# KiCad board data-center-ddr5-tester.kicad_pcb (continued)
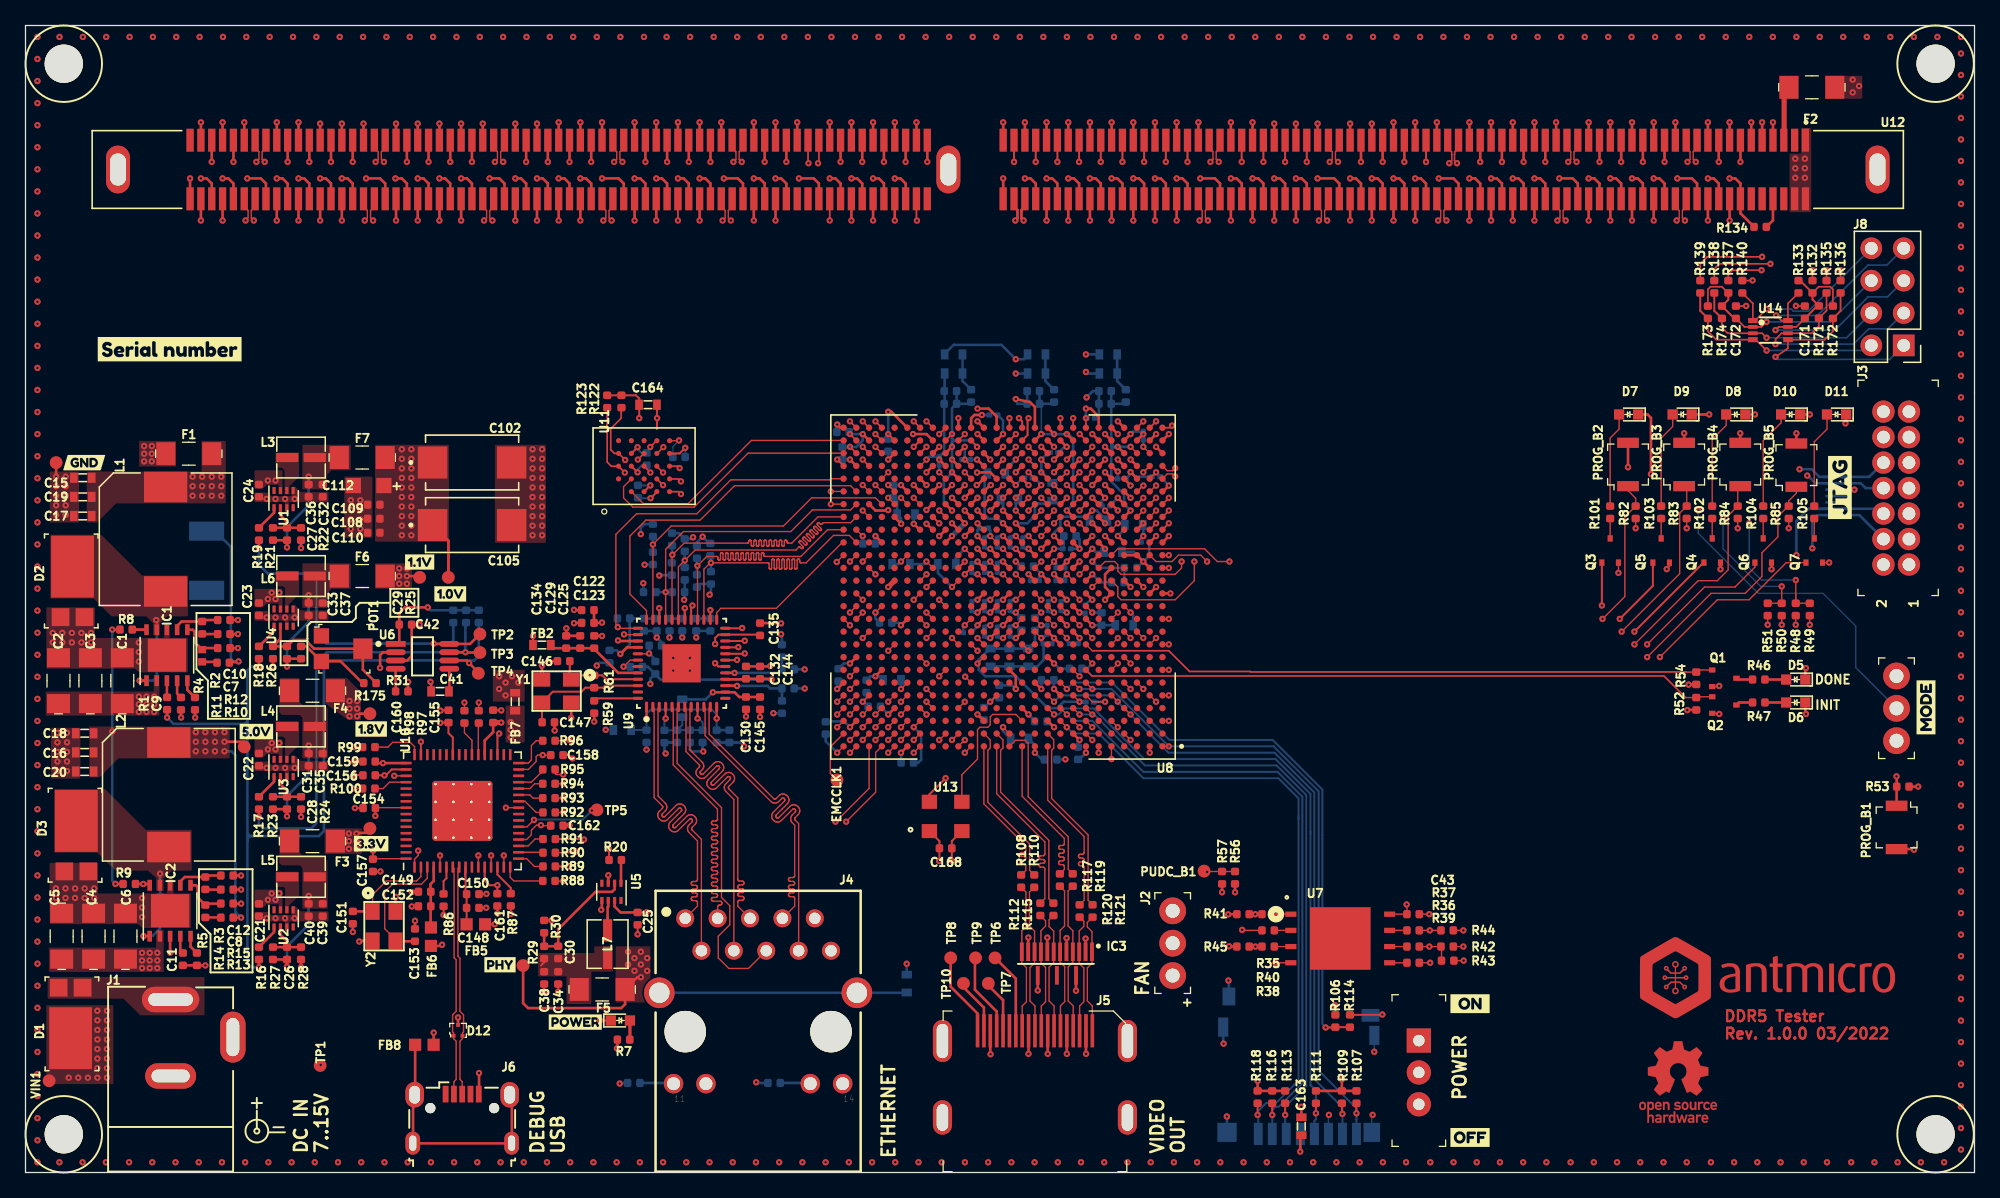
[diagram p0: board, top side]
## Routing (per net, layer and track width the routed paths; a pad name or vN(x,y) marks a point on that pad's centre or on a via; arc(x,y) is an arc through that point) (continued)
Net-(R134-Pad2): length 2.4
  Top w0.2: R134.2 137,74.72 U12.148
Net-(TP5-Pad1): length 6.7
  Top w0.1: TP5.1 44.45,28.45 v1(44.4,28.4) ; U10.22 39.32,27.12 v1(39.86,27.67)
  Bottom w0.15: v1(44.4,28.4) 43.7,27.7 39.89,27.7 v1(39.86,27.67)

## Copper pours and planes (outline as drawn; the poured copper is in the pictures)
1V0_SYS on Top: 33.2,49.5 27.4,49.5 27.4,57.1 33.2,57.1
1V0_SYS on In8.Cu_VIN_5VINT_1V8_1V0: 152.84,33.69 22.64,33.69 22.64,55.69 0.14,55.69 0.14,90.04 152.84,90.04
1V1_SYS on Top: 30.3,45.8 27.4,45.8 27.4,47.8 30.3,47.8
1V1_SYS on In3.Cu_3V3_1V1_1V8FT: 139.8,71.6 139.8,68 117,45 84.1,45 84.1,48.24 81.29,48.24 81.29,50.31 80.01,50.31 80.01,49.56 79.26,49.56 79.26,50.31 73.99,50.31 74.02,41.35 74.05,33.25 70.15,33.25 70.14,39.4 65.14,39.4 65.14,42.4 70.14,42.4 70.14,44.4 63.14,44.4 63.14,48.3 64.1,48.3 64.1,46.3 70.14,46.3 70.14,53.65 68.2,55.6 68.2,59.2 66.9,60.5 44.24,60.5 44.24,45.75 27.5,45.75 27.5,90 139.83,89.99
1V2_SYS on Top: 48.99,13.34 46.26,13.34 46.26,17.74 48.99,17.74
1V2_SYS on In10.Cu_GND_1V2: 57.89,22.44 49.39,22.44 49.39,13.69 38.64,13.69 38.64,26.84 51.39,26.84 51.34,41.19 38.64,41.19 38.64,43.69 50.89,43.69 50.89,44.94 57.89,44.94
1V8_FT on Top: 39.14,33.74 37.64,33.74 37.64,36.64 39.14,36.64
1V8_FT on In3.Cu_3V3_1V1_1V8FT: 38.44,22.34 26.74,22.24 26.74,26.74 29.14,26.74 29.14,31.64 27.94,31.64 27.94,33.44 36.14,33.44 36.14,36.74 38.34,36.74
1V8_SYS on Top: 26.3,37.7 26.3,35.5 25.3,35.5 23.5,36.8 23.5,38.8 25.2,38.8
1V8_SYS on Top: 39.14,39.44 39.14,36.94 36.64,36.94 36.64,39.44
1V8_SYS on In8.Cu_VIN_5VINT_1V8_1V0: 66,40 66,45.64 71,45.64 71.9,46.54 77.9,46.54 77.94,50.44 79.34,50.44 79.34,49.3 80.8,49.3 82.1,48 82.1,45.44 81.14,45.44 81.14,42.44 77.14,42.44 77.14,45.24 74.14,45.24 73.2,44.3 70.5,44.3 70.3,44 70.3,33.6 70.2,33.6 22.65,33.5 22.65,40
3V3_SYS on Top: 144,84.25 141.1,84.25 141.1,86.05 144,86.05
3V3_SYS on Top: 26.35,25 23.45,25 23.45,27 26.35,27
3V3_SYS on In3.Cu_3V3_1V1_1V8FT: 152.89,-0.01 -0.01,-0.01 -0.01,89.99 152.89,89.99
GND on Top: 5.44,41.94 10.85,41.95 10.85,43.05 11.3,43.05 11.3,41.95 12.74,41.95 12.74,39.24 8.94,39.24 8.54,39.54 1.64,39.54 1.64,44.34 5.44,44.34
GND on Top: 40.8,49.4 36.8,49.4 36.8,57.1 40.8,57.1
GND on Top: 4.3,30.9 2,30.9 2,34.9 4.3,34.9
GND on Top: 27.2,49.8 25,49.8 25,54.6 27.2,54.6
GND on Top: 5.69,21.89 11.1,21.9 11.1,23 11.6,23 11.6,21.9 12.99,21.9 12.99,19.19 9.19,19.19 8.79,19.49 1.89,19.49 1.89,24.29 5.69,24.29
GND on Top: 21.55,53.4 23.75,53.4 23.75,52.6 20.65,52.6 20.65,51.85 20.35,51.85 20.35,52.6 17.95,52.6 17.95,53.35 19,53.35 19.25,53.1 20.85,53.1 20.85,53.8 21.15,53.8
GND on Top: 21.55,44.1 23.75,44.1 23.75,43.3 20.65,43.3 20.65,42.55 20.35,42.55 20.35,43.3 17.95,43.3 17.95,44.05 19,44.05 19.25,43.8 20.85,43.8 20.85,44.5 21.15,44.5
GND on Top: 21.55,20.5 23.75,20.5 23.75,19.7 20.65,19.7 20.65,18.95 20.35,18.95 20.35,19.7 17.95,19.7 17.95,20.45 19,20.45 19.25,20.2 20.85,20.2 20.85,20.9 21.15,20.9
GND on Top: 21.55,32.3 23.75,32.3 23.75,31.5 20.65,31.5 20.65,30.75 20.35,30.75 20.35,31.5 17.95,31.5 17.95,32.25 19,32.25 19.25,32 20.85,32 20.85,32.7 21.15,32.7
GND on Top: 4.2,51 1.9,51 1.9,55 4.2,55
GND on In1.Cu_GND: 152.89,-0.01 -0.01,-0.01 -0.01,89.99 152.89,89.99
GND on In4.Cu_GND: 152.89,89.99 152.89,-0.01 -0.01,-0.01 -0.01,89.99
GND on In6.Cu_GND: 152.89,89.99 152.89,-0.01 -0.01,-0.01 -0.01,89.99
GND on In10.Cu_GND_1V2: 152.89,89.99 152.89,-0.01 -0.01,-0.01 -0.01,89.99
VCC1V0 on Top: 25.5,55.1 24,55.1 23.65,54.75 23.65,53.6 21.7,53.6 21.7,57.1 25.5,57.1
VCC1V1 on Top: 25.5,45.8 24,45.8 23.65,45.45 23.65,44.3 21.7,44.3 21.7,47.8 25.5,47.8
VCC1V2 on Top: 46.06,15.76 44.36,15.76 44.36,13.21 42.41,13.21 42.41,15.39 40.19,15.39 40.19,17.22 44.59,17.22 44.59,17.74 46.06,17.74
VCC1V8 on Top: 19.9,38.8 21.5,38.8 21.5,36.9 21.7,36.7 23.4,36.7 23.7,36.4 23.7,32.5 21.7,32.5 21.7,35.7 21.5,35.9 20.1,35.9 19.9,36.1
VCC3V3 on Top: 19.9,27 21.5,27 21.5,25.1 21.7,24.9 23.22,24.9 23.68,24.45 23.7,21.85 23.7,20.7 21.7,20.7 21.7,23.9 21.5,24.1 20.1,24.1 19.9,24.3
VCC5V0_INT on Top: 20.15,53.2 19.85,53.2 19.85,53.95 18.9,53.95 18.6,53.65 17.95,53.65 17.95,55.1 20.15,55.1
VCC5V0_INT on Top: 20.15,20.33 19.85,20.33 19.85,21.05 18.9,21.05 18.6,20.75 17.95,20.75 17.95,22.2 20.15,22.2
VCC5V0_INT on Top: 20.15,43.92 19.85,43.92 19.85,44.65 18.9,44.65 18.6,44.35 17.95,44.35 17.95,45.8 20.15,45.8
VCC5V0_INT on Top: 20.15,32.12 19.85,32.12 19.85,32.85 18.9,32.85 18.6,32.55 17.95,32.55 17.95,34 20.15,34
VCC5V0_INT on Top: 16,32.5 7.3,32.5 5.8,31 5,31 5,35 16,35
VCC5V0_INT on In8.Cu_VIN_5VINT_1V8_1V0: 152.5,0.04 11.5,0 11.5,54.7 22.4,54.7 22.4,33 152.5,33.5
VCC12V0 on Top: 15.7,52.5 7.1,52.5 5.6,51 4.8,51 4.8,55 13.8,55 13.8,57.4 15.7,57.4
VCC12V0 on Bottom: 15.7,49.5 12.7,49.5 12.7,55 15.7,55
VIN on Top: 10.84,15.74 1.84,15.74 1.84,17.64 10.24,17.64 10.24,19.04 10.84,19.04
VIN on Top: 6.89,6.94 1.64,6.94 1.64,13.13 6.89,13.13
VIN on Top: 10.5,35.84 1.59,35.84 1.59,37.74 10.05,37.74 10.06,39.05 10.5,39.05
VIN on Bottom: 15.8,39.4 12.2,35.8 8.6,35.85 8.6,38 10.6,38 12.6,40 12.6,46.6 15.8,46.6
VIN on In8.Cu_VIN_5VINT_1V8_1V0: 10.74,37.84 10.74,0.04 0.04,0.04 0.04,37.84
VIN_BULK on Top: 140,75.35 138.3,75.35 138.3,79.95 139.2,79.95 139.2,81.95 140,81.95
VIN_BULK on Top: 8.9,57.4 11.8,57.4 11.8,55.4 8.9,55.4
VIN_BULK on In3.Cu_3V3_1V1_1V8FT: 140,75.35 138.3,75.35 138.3,83.05 10.5,83 10.5,55 0,55 0,90 140,90
Net-(C13-Pad1) on Top: 9.14,46.84 12.74,46.84 12.74,43.64 11.1,43.64 10.55,43.1 10.55,42.15 10,42.15 10,43.1 9.45,43.64 6.74,43.64 5.34,45.04 1.94,45.04 1.94,50.04 5.94,50.04
Net-(C14-Pad1) on Top: 9.44,26.89 13.04,26.89 13.04,23.69 11.5,23.69 10.84,23.1 10.84,22.09 10.24,22.09 10.24,23.1 9.6,23.69 7.04,23.69 5.64,25.09 2.24,25.09 2.24,30.09 6.24,30.09
Net-(D1-PadA) on Top: 7.69,13.64 1.74,13.64 1.74,15.34 14.04,15.34 14.04,12.34 8.99,12.34
Net-(L3-Pad1) on Top: 21.45,54.6 20.7,53.85 20.7,53.2 20.3,53.2 20.3,55.1 20.1,55.3 19.6,55.3 19.6,56.5 21.45,56.5
Net-(L4-Pad1) on Top: 21.45,33.55 20.65,32.75 20.65,32.12 20.35,32.12 20.35,34.05 20.2,34.2 19.6,34.2 19.6,35.4 21.45,35.4
Net-(L5-Pad1) on Top: 21.45,21.7 20.65,20.95 20.65,20.33 20.35,20.33 20.35,22.3 20.25,22.4 19.6,22.4 19.6,23.6 21.45,23.6
Net-(L6-Pad1) on Top: 21.45,45.38 20.62,44.55 20.62,43.92 20.35,43.92 20.35,45.85 20.2,46 19.6,46 19.6,47.2 21.45,47.2

## Text on the board
Dwgs.User: DDR5 | Recommended PCB finish: | Gold plating (ENIG, selective) | Solder mask: matt black | Silkscreen: white | The design includes high speed signaling | Suggested prepreg material is ISOLA PR2116 | Layer | 1 | 2 | 3 | 4 | 5 | 6 | 7 | 8 | 9 | 10 | 11 | 12 | 13 | 14 | 15 | 16 | 17 | 18 | 19 | 20 | 21 | Name | Top Solder | F.Cu | Dielectric 1 | GND1 | Dielectric 2 | In2.Cu | Dielectric 3 | VCC1 | Dielectric 4 | In4.Cu | Dielectric 5 | GND2 | VCC2 | In7.Cu | Dielectric 6 | GND3 | Dielectric 7 | In9.Cu | Dielectric 8 | GND4 | Dielectric 9 | B.Cu | Bottom Solder | Material | Solder Resist | Copper | Prepreg 2116 | FR-4 | Prepreg 7630 | Thickness | 0.5 mil | 1.4 mil | 3 mil | 5 mil | 5 mm | Constant | 3.3 | 4.3 | B 14 | B 15 | B 16 | B 12 | B 13 | B 115 | B 116 | Recommended PCB stackup
Top: DDR5 Tester / Rev. 1.0.0 03/2022
F.Mask: DDR5 Tester / Rev. 1.0.0 03/2022
F.SilkS: + | INIT | DONE | 2 | 1 | DC IN / 7..15V | DEBUG / USB | VIDEO / OUT | ETHERNET | FAN | POWER
